# Altium PCB WhiteRHINO_0v1.PcbDoc (part 7 of 10)
Units mm, origin at the board's own origin, x right, y up, seen from the top; angles counter-clockwise.
Board outline 120.2 x 121.5 mm, 12 copper layers (L1_Top Layer, L2_GND, L3_Critical, L4_Critical, L5_GND, L6_Power, L7_Non-Critical, L8_Power, L9_Critical, L10_Critical, L11_GND, L12_Bottom Layer), stack 1.414 mm thick; 837 components, 556 nets, 3237 pads, 1790 vias.
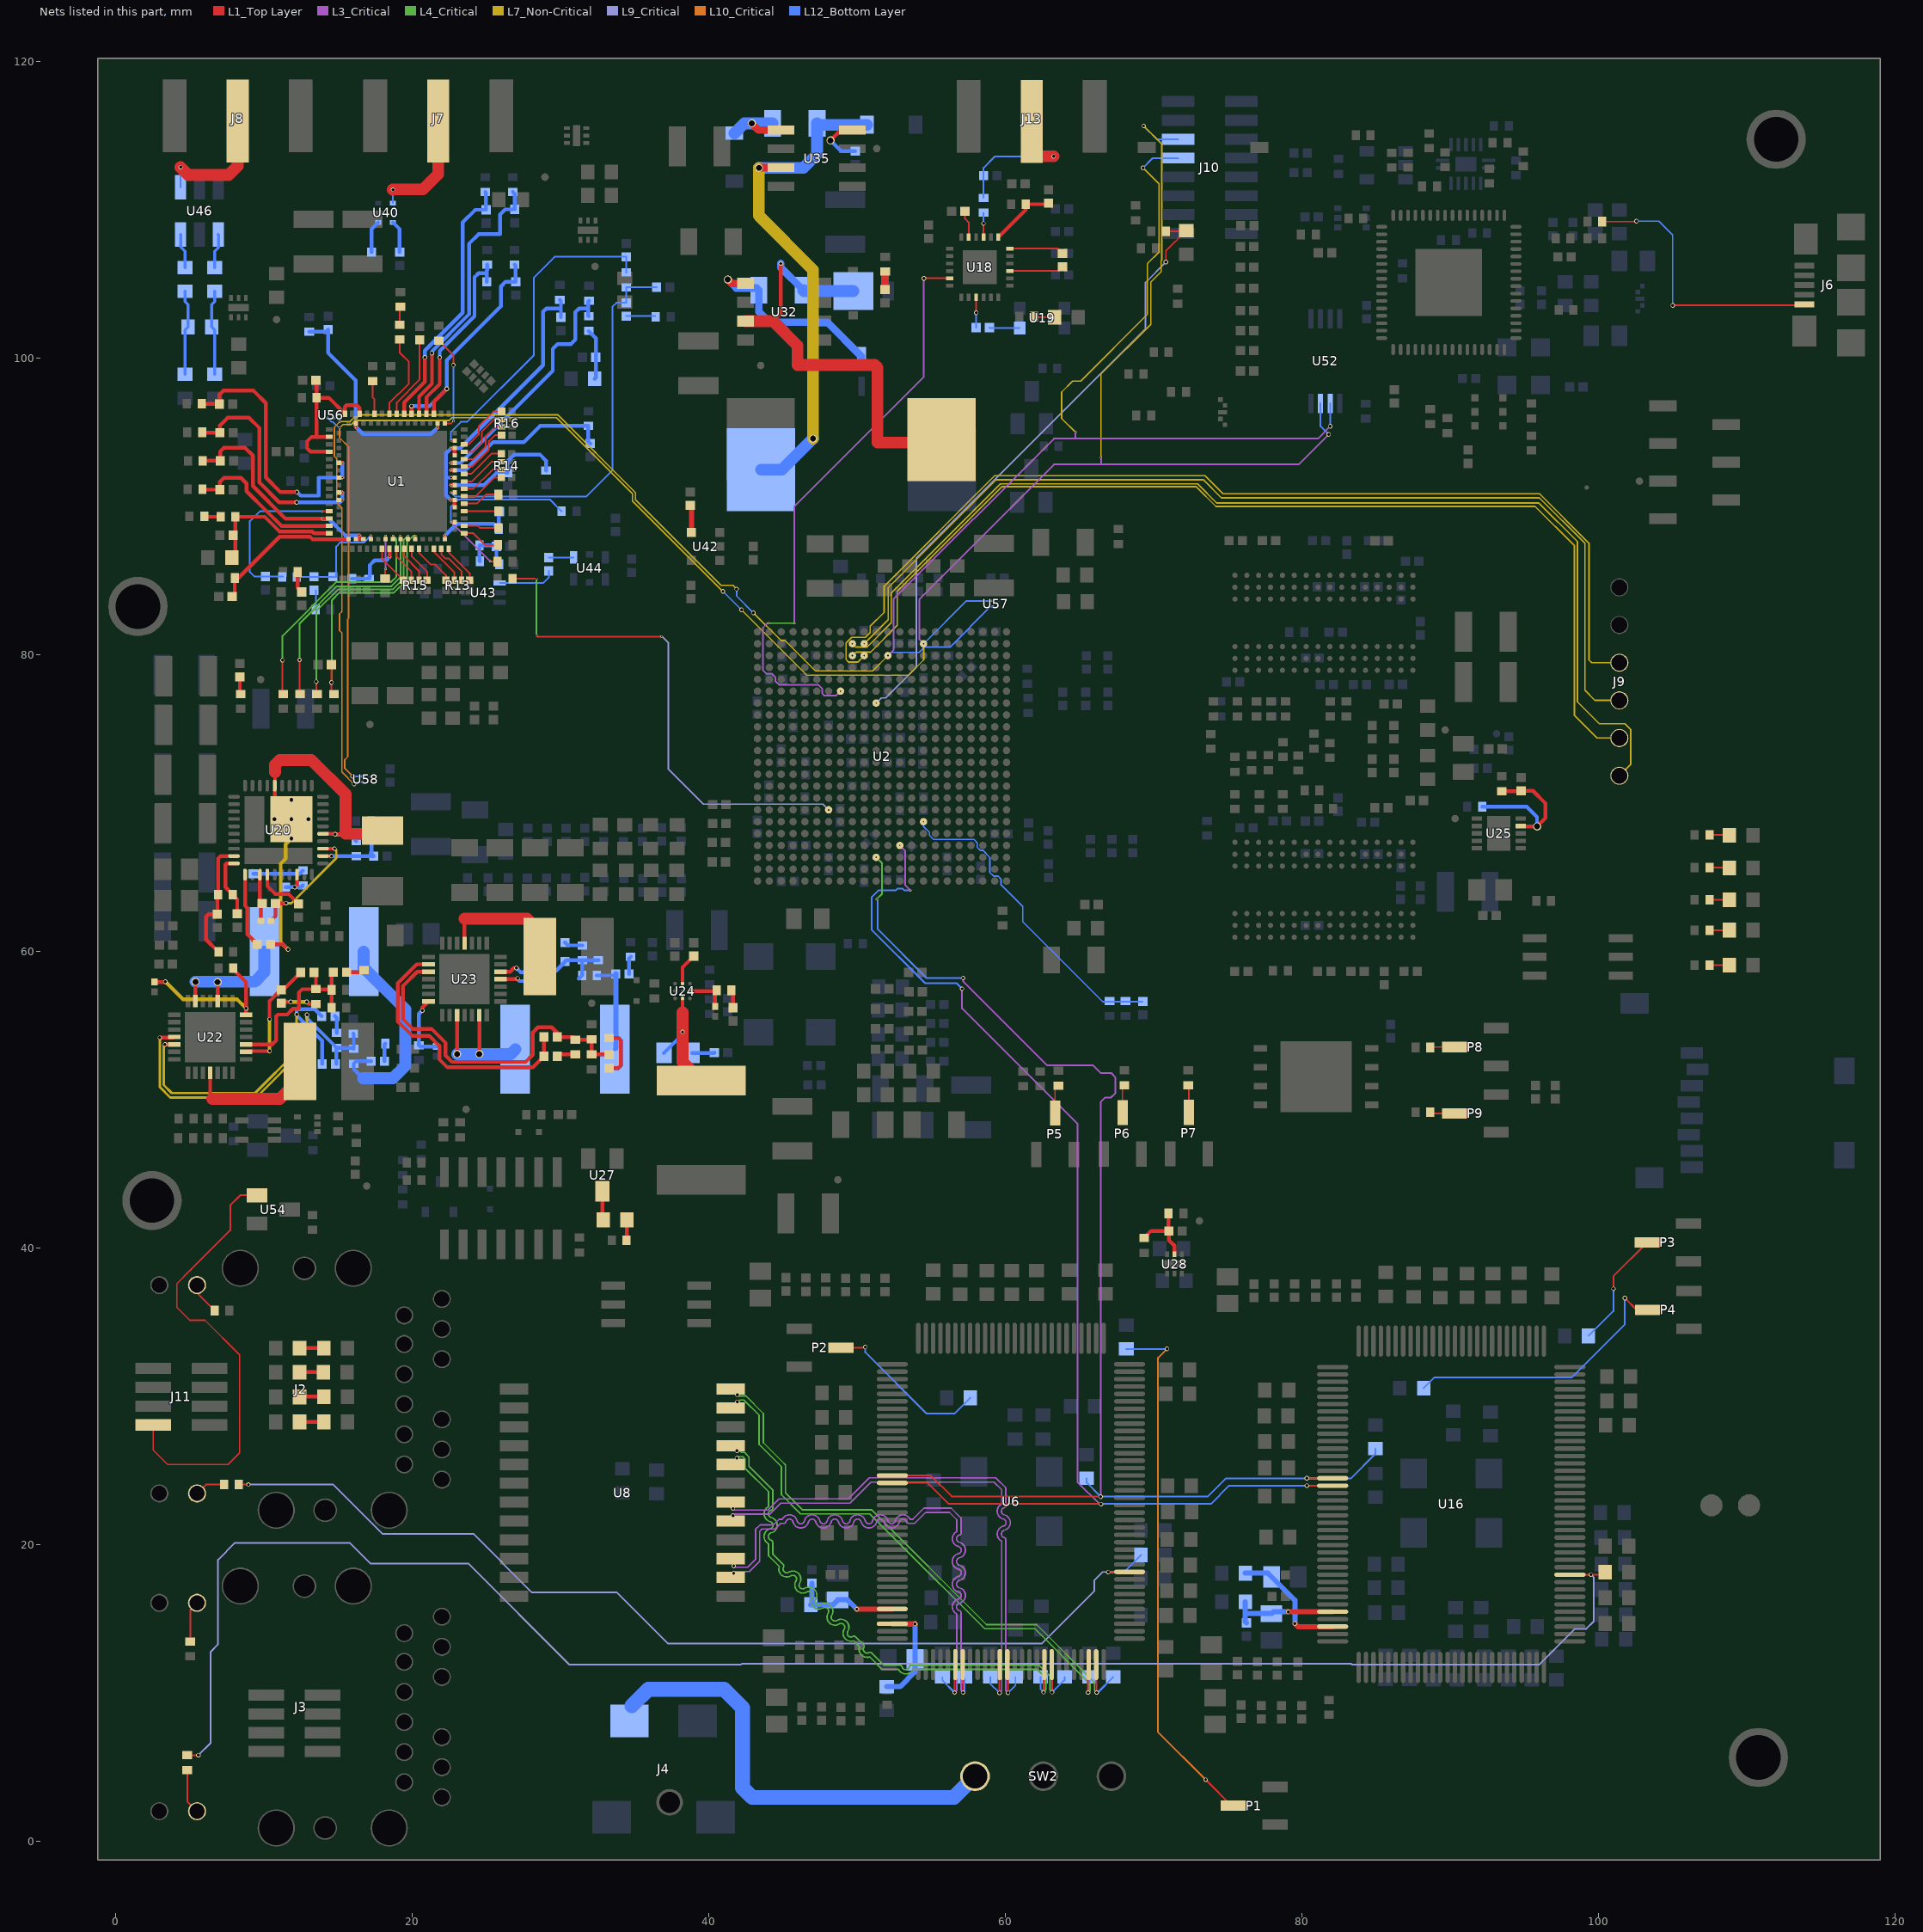
[diagram p17: the nets of this part, all layers, seen from the top]

## Via types
v1: diameter 0.15, hole 0.1, L1_Top Layer to L12_Bottom Layer, tented both sides, 705 vias
v2: diameter 0.3, hole 0.2, L1_Top Layer to L12_Bottom Layer, tented both sides, 589 vias
v3: diameter 0.3, hole 0.2, L1_Top Layer to L12_Bottom Layer, 145 vias
v4: diameter 0.55, hole 0.4, L1_Top Layer to L12_Bottom Layer, tented both sides, 89 vias
v5: diameter 0.15, hole 0.1, L1_Top Layer to L12_Bottom Layer, 73 vias
v6: diameter 0.4, hole 0.2, L1_Top Layer to L12_Bottom Layer, tented both sides, 61 vias
v7: diameter 0.66, hole 0.33, L1_Top Layer to L12_Bottom Layer, tented top, 41 vias
v8: diameter 0.3, hole 0.2, L1_Top Layer to L12_Bottom Layer, tented bottom, 27 vias
v9: diameter 0.55, hole 0.4, L1_Top Layer to L12_Bottom Layer, 20 vias
v10: diameter 0.5, hole 0.2, L1_Top Layer to L12_Bottom Layer, tented both sides, 16 vias
v11: diameter 0.5, hole 0.25, L1_Top Layer to L12_Bottom Layer, 13 vias
v12: diameter 0.4, hole 0.25, L1_Top Layer to L12_Bottom Layer, 9 vias
v13: diameter 0.5, hole 0.4, L1_Top Layer to L12_Bottom Layer, tented both sides, 1 vias
v14: diameter 0.55, hole 0.4, L1_Top Layer to L12_Bottom Layer, tented bottom, 1 vias

## Nets (pads, with @x,y where several pads share a name; then routed paths per layer and width w, separated by ;. In a path a pad name is that pad's centre, name@x,y a point inside that pad or via, vN(x,y) a via of type N, cw(c..) or ccw(c..) an arc to the next point about the centre after c; other vN are vias at no path point) (continued)
LINK1000_LED_ETH1: R81.2 R118.2 U6.10 | length 69.7
  L1_Top Layer w0.115: R118.2@8.325,24.025 v3(8.975,24.025) ; v2(66.95,18.125) 68.386,18.125 U6.10@68.398,18.137
  L9_Critical w0.1: 66.025,16.85 66.025,17.575 66.575,18.125 v2(66.95,18.125)
  L9_Critical w0.115: v3(8.975,24.025) 14.689,24.025 18.014,20.7 24.154,20.7 28.104,16.75 33.829,16.75 37.287,13.292 62.467,13.292 66.025,16.85
  L12_Bottom Layer w0.115: v2(66.95,18.125) 68.025,18.125 R81.2@69.175,19.275
LINK1000_LED_ETH2: R120.2 R160.2 U16.10 | length 118.1
  L1_Top Layer w0.115: R120.2@4.85,5.775 v3(5.6,5.775) ; U16.10@98.093,17.949 100.299,17.949 R160.2@100.475,18.125
  L9_Critical w0.115: v3(5.6,5.775) 6.425,6.6 6.425,12.75 6.925,13.25 6.925,18.95 8.075,20.1 15.8,20.1 17.2,18.7 23.8,18.7 30.6,11.9 42.2,11.9 42.258,11.958 83.327,11.958 83.385,11.9 96.039,11.9 98.444,14.306 99.2,14.306 99.708,14.813 99.708,17.767 99.525,17.95 v3(99.5,17.95)
LM_RESET: R21.1 U2.G16 | length 35
  L1_Top Layer w0.115: R21.1@26.775,85.1 v1(28.4,85.1) ; v1(28.4,81.275) 28.475,81.2 v1(36.825,81.2)
  L4_Critical w0.115: v1(28.4,81.275) v1(28.4,85.1)
  L9_Critical w0.115: v1(36.825,81.2) 36.875,81.2 37.3,80.775 37.3,72.25 39.65,69.9 47.708,69.9 v1(48.104,69.504)
LM_SCLK: C5.2 R22.2 U1.70 | length 16.8
  L1_Top Layer w0.115: C5.2@14.575,79.3 v8(14.575,78.1) 14.575,77.5 R22.2@14.75,77.325 ; U1.70@20.231,87.762 v1(20.231,87.994)
  L4_Critical w0.115: v8(14.575,78.1) 14.6,78.125 14.6,83.65 15.1,84.15 18.787,84.15 19.675,85.038 19.675,87.575 20.094,87.994 v1(20.231,87.994)
LM_SDIO: R24.2 U1.69 | length 15.6
  L1_Top Layer w0.115: v8(13.55,78.15) 13.55,77.375 R24.2@13.6,77.325 ; U1.69@19.731,87.762 v1(19.731,87.994)
  L4_Critical w0.115: v8(13.55,78.15) 13.55,82.904 15.021,84.375 18.708,84.375 19.45,85.117 19.45,87.713 v1(19.731,87.994)
LM_SDO: R25.2 U1.68 | length 15.9
  L1_Top Layer w0.115: v8(12.425,79.625) 12.425,77.35 R25.2@12.45,77.325 ; U1.68@19.231,87.762 v1(19.231,87.994)
  L4_Critical w0.115: v8(12.425,79.625) 12.425,82.083 14.936,84.594 18.623,84.594 19.231,85.202 v1(19.231,87.994)
LM_SEN: R23.2 U1.67 | length 16.4
  L1_Top Layer w0.115: v8(11.275,79.6) 11.275,77.375 R23.2@11.325,77.325 ; U1.67@18.731,87.762 v1(18.731,87.994)
  L4_Critical w0.115: v8(11.275,79.6) 11.275,81.237 14.913,84.875 18.6,84.875 18.95,85.225 18.95,87.775 v1(18.731,87.994)
MAG: U2.U15 U18.11 | length 40.2
  L1_Top Layer w0.115: U2.U15@48.904,77.514 v1(48.911,77.514) ; v8(54.525,105.35) U18.11@56.275,105.35
  L3_Critical w0.1: 43.675,81.8 43.975,82.1 v1(44.05,82.1)
  L3_Critical w0.115: 43.675,81.8 43.675,78.925 43.9,78.7 44.275,78.7 44.525,78.45 44.525,78.175 44.75,77.95 47.4,77.95 47.675,77.675 47.675,77.35 47.8,77.225 48.622,77.225 v1(48.911,77.514) ; v1(45.8,82.1) 45.8,89.975 54.525,98.7 v8(54.525,105.35)
  L4_Critical w0.1: v1(44.05,82.1) v1(45.8,82.1)
MDC: U2.D10 U6.81 U16.81 | length 85.7
  L1_Top Layer w0.115: U6.81@52.398,24.137 52.399,24.136 54.789,24.136 56.2,22.725 66.45,22.725 v2(66.475,22.7) ; v2(80.35,23.95) v2(80.35,23.95) U16.81@82.093,23.949
  L3_Critical w0.115: v1(52.904,67.114) 53.275,66.743 53.275,64.425 v1(53.625,64.075) ; v2(57.1,57.45) 57.1,56.125 64.9,48.325 64.9,24.174 66.374,22.7 v2(66.475,22.7)
  L12_Bottom Layer w0.115: v1(53.625,64.075) 53.215,64.075 53.073,64.218 52.752,64.218 52.609,64.075 51.455,64.075 51.017,63.637 51.017,61.417 54.599,57.835 56.715,57.835 v2(57.1,57.45) ; v2@66.45,22.724 73.881,22.724 75.107,23.95 v2(80.35,23.95)
MDIA_N: R108.1 U6.109 U8.3 | length 37.5
  L1_Top Layer w0.115: U6.109@57.148,11.05 57.175,11.023 v2(57.175,10.002)
  L3_Critical w0.1: v2(41.7,18.533) 41.783,18.45 42.65,18.45 43.175,18.975 43.175,20.992 43.491,21.308 44.383,21.308 44.758,21.683 44.977,21.683 cw(c45.458,21.447) 45.978,21.575 ccw(c46.224,21.636) 46.47,21.575 cw(c46.99,21.447) 47.51,21.575 ccw(c47.756,21.636) 48.002,21.575 cw(c48.522,21.447) 49.042,21.575 ccw(c49.288,21.636) 49.534,21.575 cw(c50.054,21.447) 50.574,21.575 ccw(c50.82,21.636) 51.066,21.575 cw(c51.586,21.447) 52.106,21.575 ccw(c52.352,21.636) 52.598,21.575 cw(c53.118,21.447) 53.599,21.683 53.783,21.683 54.533,22.433 56.367,22.433 57.028,21.772 57.028,20.756 cw(c56.886,20.756) 56.92,20.619 ccw(c56.981,20.373) 56.92,20.127 cw(c56.792,19.607) 57.328,19.607 cw(c56.792,19.607) 56.92,19.087 ccw(c56.981,18.841) 56.92,18.596 cw(c56.792,18.075) 57.328,18.075 cw(c56.792,18.075) 56.92,17.555 ccw(c56.981,17.309) 56.92,17.064 cw(c56.792,16.543) 57.328,16.543 cw(c56.792,16.543) 56.92,16.023 ccw(c56.981,15.777) 56.92,15.532 cw(c56.886,15.394) 57.028,15.394 57.028,10.149 v2(57.175,10.002)
  L12_Bottom Layer w0.115: v2(57.175,10.002) 57.273,10.1 R108.1@57.273,11.05
MDIA_P: R104.1 U6.108 U8.2 | length 38.2
  L1_Top Layer w0.115: v2(56.598,10.002) 56.598,11.837 U6.108@56.648,11.887
  L3_Critical w0.1: v2(41.7,18.05) 41.8,18.15 41.859,18.15 41.876,18.167 42.767,18.167 43.458,18.858 43.458,20.875 43.608,21.025 44.5,21.025 44.875,21.4 45.075,21.4 ccw(c45.075,21.541) 45.212,21.508 cw(c45.458,21.447) 45.704,21.508 ccw(c46.224,21.636) 46.744,21.508 cw(c46.99,21.447) 47.236,21.508 ccw(c47.756,21.636) 48.276,21.508 cw(c48.522,21.447) 48.768,21.508 ccw(c49.288,21.636) 49.808,21.508 cw(c50.054,21.447) 50.3,21.508 ccw(c50.82,21.636) 51.34,21.508 cw(c51.586,21.447) 51.832,21.508 ccw(c52.352,21.636) 52.872,21.508 cw(c53.118,21.447) 53.364,21.508 ccw(c53.501,21.541) 53.501,21.4 53.9,21.4 54.65,22.15 56.25,22.15 56.745,21.655 56.745,20.854 ccw(c56.981,20.373) 56.853,19.853 cw(c56.792,19.607) 57.045,19.607 cw(c56.792,19.607) 56.853,19.362 ccw(c56.981,18.841) 56.853,18.321 cw(c56.792,18.075) 57.045,18.075 cw(c56.792,18.075) 56.853,17.83 ccw(c56.981,17.309) 56.853,16.789 cw(c56.792,16.543) 57.045,16.543 cw(c56.792,16.543) 56.853,16.298 ccw(c56.981,15.777) 56.745,15.296 56.745,10.149 v2(56.598,10.002)
  L12_Bottom Layer w0.115: R104.1@55.773,11.05 55.773,10.827 v2(56.598,10.002)
MDIB_N: R107.1 U6.115 U8.6 | length 38.2
  L1_Top Layer w0.115: U8.6@41.179,22.815 41.327,22.667 41.586,22.408 v2(41.65,22.408) ; U6.115@60.148,11.887 60.2,11.835 v2(60.2,9.977)
  L3_Critical w0.1: v2(41.65,22.408) 41.75,22.308 44.008,22.308 44.758,23.058 49.425,23.058 50.842,24.475 59.375,24.475 60.053,23.797 60.053,22.609 cw(c59.911,22.609) 59.945,22.472 ccw(c60.006,22.226) 59.945,21.98 cw(c59.817,21.46) 60.353,21.46 cw(c59.817,21.46) 59.945,20.94 ccw(c60.006,20.694) 59.945,20.448 cw(c59.911,20.311) 60.053,20.311 60.053,10.124 v2(60.2,9.977)
  L12_Bottom Layer w0.115: v2(60.2,9.977) 60.7,10.477 R107.1@60.7,11.05
MDIB_P: R103.1 U6.114 U8.5 | length 37.7
  L1_Top Layer w0.115: U8.5@41.179,21.545 41.352,21.718 41.559,21.925 v2(41.65,21.925) ; v2(59.623,9.977) 59.623,11.862 U6.114@59.648,11.887
  L3_Critical w0.1: v2(41.65,21.925) 41.75,22.025 44.125,22.025 44.875,22.775 49.542,22.775 50.959,24.192 59.258,24.192 59.77,23.68 59.77,22.707 ccw(c60.006,22.226) 59.878,21.706 cw(c59.817,21.46) 60.07,21.46 cw(c59.817,21.46) 59.878,21.214 ccw(c60.006,20.694) 59.77,20.213 59.77,10.124 v2(59.623,9.977)
  L12_Bottom Layer w0.115: R103.1@59,11.05 59,10.6 v2(59.623,9.977)
MDIC_N: R106.1 U6.121 U8.9 | length 38.7
  L1_Top Layer w0.115: U6.121@63.148,11.887 63.175,11.86 v2(63.175,10.025)
  L4_Critical w0.1: v2(41.925,26.308) 42.1,26.308 42.225,26.183 42.434,26.183 42.733,25.884 42.733,25.267 44.333,23.667 44.333,22.434 cw(c44.191,22.434) 44.225,22.297 ccw(c44.286,22.051) 44.225,21.805 cw(c44.097,21.285) 44.633,21.285 cw(c44.097,21.285) 44.225,20.765 ccw(c44.286,20.519) 44.225,20.273 cw(c44.191,20.136) 44.333,20.136 44.333,19.342 45.042,18.633 cw(c44.942,18.533) 45.083,18.533 cw(c44.942,18.533) 45.063,18.46 ccw(c45.279,18.329) 45.41,18.113 cw(c45.687,17.654) 46.223,17.654 cw(c45.687,17.654) 46.146,17.377 ccw(c46.363,17.246) 46.493,17.03 cw(c46.771,16.571) 47.307,16.571 cw(c46.771,16.571) 47.229,16.294 ccw(c47.446,16.163) 47.577,15.946 cw(c47.854,15.488) 48.39,15.488 cw(c47.854,15.488) 48.313,15.21 ccw(c48.529,15.08) 48.66,14.863 cw(c48.937,14.404) 49.473,14.404 cw(c48.937,14.404) 49.396,14.127 ccw(c49.612,13.996) 49.743,13.78 cw(c49.816,13.659) 49.917,13.759 50.458,13.217 cw(c50.358,13.117) 50.5,13.117 cw(c50.358,13.117) 50.479,13.044 ccw(c50.696,12.913) 50.827,12.696 cw(c50.9,12.575) 51,12.675 51.83,11.845 52.916,11.845 cw(c52.916,11.704) 53.054,11.737 ccw(c53.299,11.798) 53.545,11.738 cw(c53.682,11.704) 53.682,11.845 62.3,11.845 63.028,11.117 63.028,10.172 v2(63.175,10.025)
  L12_Bottom Layer w0.115: v2(63.175,10.025) 63.95,10.8 64.025,10.8 R106.1@64.025,11.05
MDIC_P: R102.1 U6.120 U8.8 | length 36.9
  L1_Top Layer w0.115: v2(62.598,10.025) 62.598,11.05 U6.120@62.648,11.1
  L4_Critical w0.1: v2(41.925,25.825) 42,25.9 42.317,25.9 42.45,25.767 42.45,25.15 44.05,23.55 44.05,22.532 ccw(c44.286,22.051) 44.158,21.531 cw(c44.097,21.285) 44.35,21.285 cw(c44.097,21.285) 44.158,21.039 ccw(c44.286,20.519) 44.05,20.038 44.05,19.225 44.772,18.503 ccw(c45.279,18.329) 45.557,17.871 cw(c45.687,17.654) 45.94,17.654 cw(c45.687,17.654) 45.904,17.523 ccw(c46.363,17.246) 46.64,16.787 cw(c46.771,16.571) 47.024,16.571 cw(c46.771,16.571) 46.987,16.44 ccw(c47.446,16.163) 47.723,15.704 cw(c47.854,15.488) 48.107,15.488 cw(c47.854,15.488) 48.07,15.357 ccw(c48.529,15.08) 48.806,14.621 cw(c48.937,14.404) 49.19,14.404 cw(c48.937,14.404) 49.154,14.273 ccw(c49.612,13.996) 49.786,13.489 50.189,13.086 ccw(c50.696,12.913) 50.869,12.406 51.713,11.562 52.818,11.562 ccw(c53.299,11.798) 53.78,11.562 62.183,11.562 62.745,11 62.745,10.172 v2(62.598,10.025)
  L12_Bottom Layer w0.115: R102.1@62.4,11.05 62.4,10.223 v2(62.598,10.025)
MDID_N: R105.1 U6.127 U8.12 | length 38.6
  L1_Top Layer w0.115: U6.127@66.148,11.887 66.175,11.86 v2(66.175,10.002)
  L4_Critical w0.1: v2(41.95,30.083) 42.025,30.008 42.509,30.008 43.7,28.817 43.7,26.842 45.117,25.425 45.2,25.342 45.2,23.458 46.333,22.325 51,22.325 58.742,14.583 62.137,14.583 66.028,10.692 66.028,10.149 v2(66.175,10.002)
  L12_Bottom Layer w0.115: v2(66.175,10.002) 66.252,10.002 R105.1@67.3,11.05
MDID_P: R101.1 U6.126 U8.11 | length 37.7
  L1_Top Layer w0.115: v2(65.598,10.002) 65.598,11.837 U6.126@65.648,11.887
  L4_Critical w0.1: v2(41.95,29.6) 42.025,29.6 42.15,29.725 42.392,29.725 43.417,28.7 43.417,26.725 44.917,25.225 44.917,23.341 46.216,22.042 50.883,22.042 52.675,20.25 58.625,14.3 62.02,14.3 65.745,10.575 65.745,10.149 v2(65.598,10.002)
  L12_Bottom Layer w0.115: v2(65.598,10.002) 65.698,10.102 R101.1@65.698,11.05
MDIO: R68.1 R147.1 U2.C12 U6.80 U16.80 | length 92.5
  L1_Top Layer w0.115: U6.80@52.398,24.637 54.995,24.637 56.407,23.225 66.425,23.225 v2(66.45,23.2) ; v2(80.35,24.45) 80.725,24.45 ; 80.726,24.449 80.725,24.45 ; U16.80@82.093,24.449 80.725,24.45
  L3_Critical w0.115: v2(57.175,58.175) 57.175,57.951 62.826,52.3 65.925,52.3 66.45,51.775 67.15,51.775 67.45,51.475 67.45,50.425 67.15,50.125 66.75,50.125 66.45,49.825 v2(66.45,23.2)
  L4_Critical w0.115: v1(51.304,66.314) 51.7,65.918 51.7,63.85 v1(51.35,63.5)
  L12_Bottom Layer w0.115: v1(51.35,63.5) 51.398,63.452 51.398,61.482 54.705,58.175 v2(57.175,58.175) ; R68.1@65.5,24.45 65.5,24.15 66.425,23.225 73.675,23.225 74.9,24.45 v2(80.35,24.45) 83.325,24.45 84.975,26.1 R147.1@84.975,26.45
MIO_VREF_1V65: C456.1 R282.2 R283.1 U2.F8 | length 21.7
  L12_Bottom Layer w0.1: v1(54.504,68.714) 54.504,68.396 54.9,68 54.9,67.8 55.175,67.525 57.9,67.525 58.125,67.3 58.125,66.989 58.325,66.789 58.489,66.789 58.975,66.303 58.975,65.3 59.225,65.05 59.525,65.05 59.725,64.85 59.725,64.475 61.2,63 61.2,61.976 66.601,56.575 C456.1@69.275,56.575
NetC1_1: C1.1 U1.38 | length 5.6
  L1_Top Layer w0.115: U1.38@18.981,96.212 18.981,96.981 20.525,98.525 C1.1@20.525,101.2
NetC2_2: C2.2 R19.1 U1.57 | length 11.4
  L1_Top Layer w0.115: v1@13.962,89.662 U1.57@14.431,89.662
  L12_Bottom Layer w0.115: R19.1@11.325,85.25 9.375,85.25 9.075,85.55 9.075,88.975 9.75,89.65 v1(13.95,89.65)
NetC3_1: C3.1 R20.2 | length 1.3
  L12_Bottom Layer w0.115: R20.2@13.5,83.025 13.525,83.05 C3.1@13.525,84.325
NetC3_2: C3.2 C4.2 R19.2 U1.64 | length 7.5
  L1_Top Layer w0.115: v1(17.225,88) 17.231,87.994 U1.64@17.231,87.762
  L12_Bottom Layer w0.115: R19.2@12.35,85.225 13.525,85.225 14.9,85.225 14.9,87.275 15.175,87.55 16.775,87.55 v1(17.225,88)
NetC6_2: C6.2 R27.1 U1.87 | length 21.6
  L1_Top Layer w0.115: v1(22.638,94.412) U1.87@22.881,94.412
  L12_Bottom Layer w0.115: v1(22.638,94.412) 22.638,95.013 23.3,95.675 23.725,95.675 28.225,100.175 28.225,105.4 29.625,106.8 C6.2@34.45,106.8 R27.1@34.45,105.75
NetC7_1: C7.1 R28.2 | length 1.9
  L12_Bottom Layer w0.115: C7.1@34.45,102.8 R28.2@36.4,102.8
NetC7_2: C7.2 C8.2 R27.2 U1.80 | length 27.2
  L1_Top Layer w0.115: v1(22.638,90.912) U1.80@22.881,90.912
  L12_Bottom Layer w0.115: v1(22.638,90.912) 22.925,90.625 22.996,90.625 23.011,90.64 29.414,90.64 29.429,90.625 31.75,90.625 33.525,92.4 33.525,103.425 33.8,103.7 C7.2@34.45,103.7 R27.2@34.45,104.75 C8.2@36.5,104.75
NetC206_2: C206.2 R109.1 | length 1.6
  L1_Top Layer w0.254: C206.2@12.425,28.25 R109.1@14.05,28.25
NetC207_2: C207.2 R110.1 | length 1.6
  L1_Top Layer w0.254: C207.2@12.425,29.926 12.449,29.95 R110.1@14.05,29.95
NetC208_2: C208.2 R111.1 | length 1.6
  L1_Top Layer w0.254: C208.2@12.425,33.225 R111.1@14.05,33.225
NetC209_2: C209.2 R112.1 | length 1.6
  L1_Top Layer w0.254: C209.2@12.425,31.6 R112.1@14.025,31.6
NetC258_2: C258.2 C259.2 R143.1 U6.98 | length 7.4
  L1_Top Layer w0.35: v2(50,15.625) 52.386,15.625 U6.98@52.398,15.637
  L12_Bottom Layer w0.35: C259.2@46.975,17.375 46.975,16 R143.1@46.9,15.925 48.4,15.925 C258.2@48.725,16.25 49.375,16.25 v2(50,15.625)
NetC261_2: C261.2 R144.1 U6.100 | length 7.1
  L1_Top Layer w0.35: U6.100@52.398,14.637 52.41,14.625 v2(53.925,14.625)
  L12_Bottom Layer w0.35: R144.1@52.025,10.4 52.925,10.4 53.925,11.4 C261.2@53.925,12.2 v2(53.925,14.625)
NetC284_2: C284.2 C285.2 R188.1 U16.98 | length 7.4
  L1_Top Layer w0.35: v2(79.099,15.449) U16.98@82.093,15.449
  L12_Bottom Layer w0.35: R188.1@76.2,16.125 76.2,15.35 ; C285.2@76.275,14.7 76.2,14.775 76.2,15.35 ; v2(79.099,15.449) 78.099,15.449 C284.2@77.975,15.325 76.225,15.325 76.2,15.35
NetC287_2: C287.2 R189.1 U16.100 | length 8.3
  L1_Top Layer w0.35: v2(79.55,14.65) 79.751,14.449 U16.100@82.093,14.449
  L12_Bottom Layer w0.35: R189.1@76.2,18.05 77.722,18.05 C287.2@77.974,17.798 79.55,16.222 v2(79.55,14.65)
NetC293_2: C293.2 U18.5 | length 1.9
  L1_Top Layer w0.115: C293.2@57.3,109.875 57.3,109.375 57.55,109.125 U18.5@57.55,108.125
NetC295_2: C295.2 L3.2 U18.1 | length 4.5
  L1_Top Layer w0.254: U18.1@59.55,108.125 61.4,109.975 L3.2@61.4,110.35 62.85,110.35 C295.2@62.925,110.425
NetC296_1: C296.1 J13.C | length 4.9
  L1_Top Layer w0.8: J13.C@61.45,115.949 61.45,114.025 61.9,113.575 v3(63.275,113.575)
  L12_Bottom Layer w0.115: C296.1@62.35,113.575 v3(63.275,113.575)
NetC296_2: C296.2 C297.2 L4.1 | length 5.2
  L12_Bottom Layer w0.115: L4.1@58.55,110.775 C297.2@58.55,112.275 58.55,112.8 59.325,113.575 C296.2@61.45,113.575
NetC298_1: C298.1 U18.21 | length 3.7
  L1_Top Layer w0.115: U18.21@60.325,105.85 63.6,105.85 C298.1@63.875,106.125
NetC298_2: C298.2 U18.24 | length 3.7
  L1_Top Layer w0.115: U18.24@60.325,107.35 63.55,107.35 C298.2@63.875,107.025
NetC299_2: C299.2 R190.2 | length 1.4
  L1_Top Layer w0.115: R190.2@61.95,102.775 62,102.725 C299.2@63.325,102.725
NetC300_1: C300.1 U19.3 | length 2
  L12_Bottom Layer w0.115: C300.1@58.95,102.025 58.97,102.005 U19.3@60.985,102.005
NetC300_2: C300.2 U18.15 | length 2.1
  L1_Top Layer w0.115: v2(58.05,103.025) U18.15@58.05,104.075
  L12_Bottom Layer w0.115: C300.2@58.05,102.025 v2(58.05,103.025)
NetC305_1: C305.1 U20.31 | length 5
  L1_Top Layer w0.254: U20.31@8.75,65.15 8.75,63.05 8.9,62.9 8.9,61.125 C305.1@9.575,60.45
NetC305_2: C305.2 L5.1 R191.1 U20.5 U20.16 U20.43 | length 28.3
  L1_Top Layer w0.254: C305.2@10.475,60.45 11.3,60.45 v2(11.65,60.1) ; 10.775,72.05 10.775,71.175 U20.16@10.75,71.15 10.75,70.01 v11(11.875,68.885) ; U20.5@14,67.9 v2@14.8,67.9 ; v2(14.825,67.875) 16.45,67.875 16.475,67.9
  L1_Top Layer w0.8: 10.775,72.05 10.775,72.55 11.1,72.875 13.225,72.875 15.525,70.575 15.525,67.9 16.475,67.9 L5.1@17.8,67.9
  L7_Non-Critical w0.254: v2(11.65,60.1) 11.148,60.602 11.148,65.883 11.477,66.212 11.477,67.187 v11(11.875,67.585)
  L12_Bottom Layer w0.254: v2(14.825,67.875) 15.775,67.875 R191.1@16.25,67.4
  other v11: 10.725,68.885 13.025,68.885 11.875,70.185
NetC306_1: C306.1 R191.2 R193.1 U20.2 | length 4.7
  L1_Top Layer w0.254: U20.2@14,66.4 v2(14.575,66.4)
  L12_Bottom Layer w0.254: v2(14.575,66.4) R191.2@16.25,66.4 C306.1@17.425,66.4 17.275,66.55 R193.1@17.275,67.575
NetC311_1: C311.1 R192.2 | length 1.2
  L1_Top Layer w0.254: C311.1@8.4,78.475 8.4,77.375 R192.2@8.45,77.325
NetC312_1: C312.1 U20.34 | length 3.4
  L1_Top Layer w0.254: U20.34@10.25,65.15 10.25,64.375 10.775,63.85 11.675,63.85 C312.1@12.35,63.175
NetC313_1: C313.1 C314.1 U20.33 | length 3.2
  L1_Top Layer w0.254: U20.33@9.75,65.15 9.75,63.35 C313.1@9.9,63.2 9.82,63.12 C314.1@9.82,62.025
NetC313_2: C313.2 C314.2 U20.3 | length 8.1
  L1_Top Layer w0.254: C314.2@10.48,62.025 10.8,62.345 C313.2@10.8,63.2 11.5,63.2 v2(11.525,63.225) ; U20.3@14,66.9 v2(14.775,66.9)
  L7_Non-Critical w0.163: v2(11.525,63.225) 11.869,63.225 14.906,66.263 14.906,66.769 v2(14.775,66.9)
NetC315_2: C315.2 R197.1 | length 3.4
  L12_Bottom Layer w0.254: C315.2@9.3,65.2 12.425,65.2 R197.1@12.65,65.425
NetC316_1: C316.1 R197.2 U20.38 | length 2.1
  L1_Top Layer w0.254: v2(12.1,64.3) 12.25,64.45 U20.38@12.25,65.15
  L12_Bottom Layer w0.254: C316.1@11.475,64.3 12.525,64.3 R197.2@12.65,64.425
NetC317_2: C317.2 R196.1 U20.30 | length 4.3
  L1_Top Layer w0.254: U20.30@8,65.9 7.5,65.9 7.425,65.825 7.425,64.3 R196.1@7.925,63.8 8.225,63.5 C317.2@8.225,62.5
NetC318_2: C318.2 R196.2 R199.2 U20.29 | length 8.4
  L1_Top Layer w0.254: R199.2@6.95,59.95 6.125,60.775 6.125,62.3 6.3,62.475 C318.2@6.875,62.475 6.875,63.75 R196.2@6.925,63.8 6.925,66.225 7.1,66.4 U20.29@8,66.4
NetC325_1: C325.1 L6.2 R203.2 | length 14.5
  L12_Bottom Layer w0.254: 16.7,51.425 16.075,52.05 R203.2@16.075,52.4 16.25,52.575 C325.1@17.25,52.575